# Altium PCB Mixed Signal Board Project_final.PcbDoc (part 2 of 3) (continued)
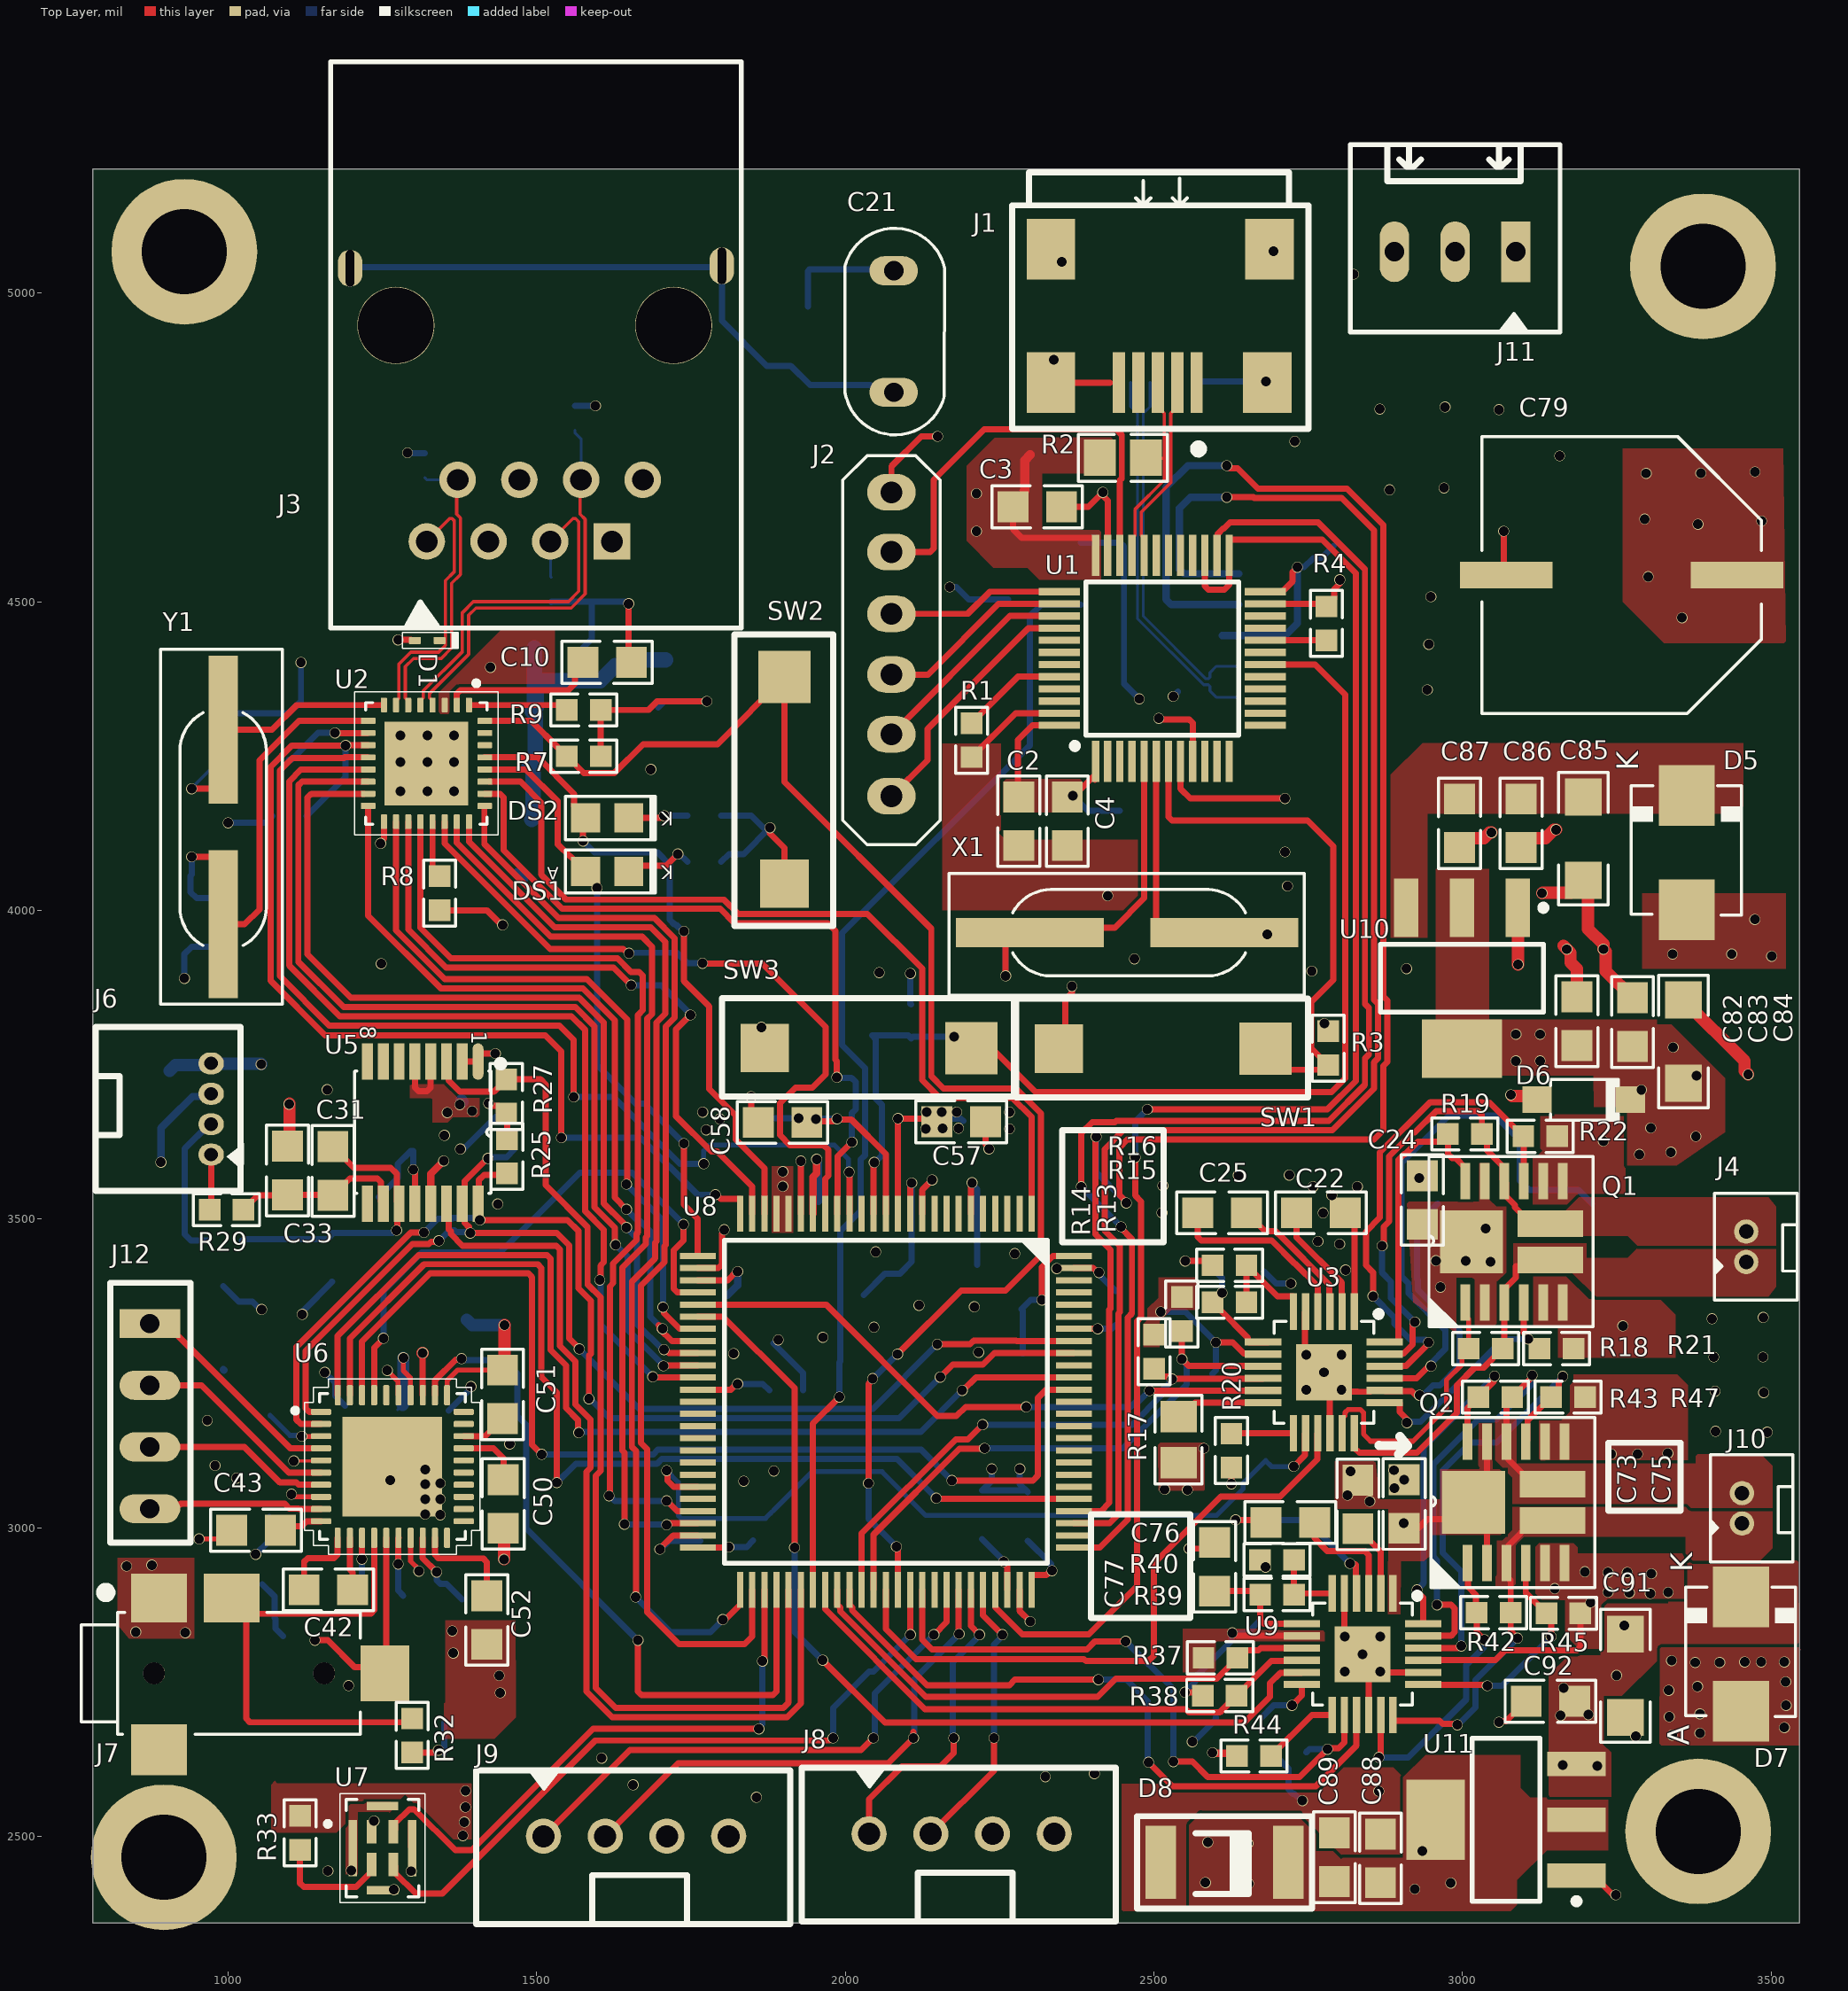
[diagram p0: Top Layer view]
## Nets (pads, with @x,y where several pads share a name; then routed paths per layer and width w, separated by ;. In a path a pad name is that pad's centre, name@x,y a point inside that pad or via, vN(x,y) a via of type N, cw(c..) or ccw(c..) an arc to the next point about the centre after c; other vN are vias at no path point) (continued)
  Top Layer w8: v1(953.03,2981.49) 991.62,2981.49 C43.1@1006.01,2995.88 ; v1(1119.48,3147.83) 1150.31,3147.83 U6.3@1150.65,3148.17 ; v1(1257.86,3254.55) 1275.12,3237.29 1275.12,3215.43 U6.35@1276.04,3214.51 ; U6.17@1295.73,2983.4 1295.73,2945.64 1309.21,2932.16 v1(1309.21,2929.53) ; U6.31@1354.78,3214.51 1354.78,3237.9 1372.13,3255.26 C51.2@1444.71,3255.26
  Top Layer w10: v1(1275.43,4438.12) 1296.09,4438.12 1296.3,4437.91 1301.85,4437.91 D1.A@1302.76,4437.01 ; U7.5@1296.53,2521.05 1296.53,2482.66 U7.5@1298.42,2480.78 ; U5.5@1302.64,3755 1302.64,3712.6 1308.5,3706.74 1322.37,3706.74 1328.23,3712.6 U5.4@1328.23,3755 ; U5.2@1379.41,3755 U5.1@1405,3755 1405,3764.31 1408.56,3767.88 v1(1433.09,3767.88) ; v1(1649.02,4496.62) 1649.02,4406.1 C10.1@1653.54,4401.57 ; U8.27@1761.09,3420.4 1794.27,3420.4 1800.13,3426.26 1800.13,3476.68 1803.96,3480.51 v1(1803.96,3482.6) ; v1(1847.53,3698.07) 1847.53,3667.86 C58.2@1859.02,3656.37 ; v1(1864.16,3810.55) 1864.16,3782.23 SW3.1@1869.49,3776.9 ; v1(1877.95,4133.86) 1877.95,4124.53 1901.57,4100.91 SW2.1@1901.57,4043.31 ; U8.20@1927.94,3508.51 v1(1927.94,3593.73) ; J2.6@2074.8,4677.17 2074.8,4719.3 2123.22,4767.72 v1(2149.61,4767.72) ; U8.10@2124.79,3508.51 2124.79,3547.24 v1(2140.67,3563.11) ; R1.1@2204.72,4248.15 2275.94,4319.37 U1.47@2346.93,4319.37 ; C57.2@2227.27,3657.41 2227.27,3620.98 2232.76,3615.5 v1(2232.76,3613.41) ; U8.74@2282.27,2899.22 2282.27,2865.16 v1(2299.63,2847.8) ; J1.6@2318.9,4854.33 2429.13,4854.33 ; SW1.1@2346,3775.72 2356.71,3786.43 2356.71,3855.42 2367.27,3865.99 v1(2367.27,3876.81) ; C3.1@2350.39,4653.54 2393.7,4653.54 v1(2417.32,4677.17) 2417.32,4671.35 2425.2,4663.47 U1.35@2425.2,4574.8 ; U8.99@2370.38,3420.4 2401.83,3420.4 2408.93,3413.3 v1(2411.02,3413.3) ; U1.8@2543.31,4241.1 2543.31,4196.85 2559.06,4181.1 v1(2712.6,4181.1) ; v1(2550.78,3431.84) 2588.16,3431.84 R16.2@2595,3425 ; v1(2557.24,2965.96) 2588.54,2965.96 C77.1@2598.47,2975.89 ; U1.23@2680.63,4496.54 2775.12,4496.54 R4.1@2779.53,4492.13 2792.03,4504.63 2792.03,4520.35 2801.29,4529.62 v1(2801.29,4535.43) ; U3.5@2745.94,3350 2745.04,3348.55 2745.04,3291.85 v1(2746.93,3280.12) U3.25@2749.53,3268.85 ; v1(2775.47,3251.57) v1(2804.02,3223.03) ; U3.16@2785.31,3152.99 2785.31,3211.3 2797.05,3223.03 v1(2804.02,3223.03) ; U9.25@2808.68,2824.58 U9.5@2808.68,2893.48 ; U9.16@2848.05,2696.47 2848.05,2754.78 2859.78,2766.51 v1(2866.75,2766.51) 2867.73,2765.52 U9.20@2936.63,2765.52 ; U3.20@2850,3220 2830,3220 2829.89,3220.11 2806.94,3220.11 v1(2804.02,3223.03) ; U3.20@2873.9,3222.05 2874.8,3221.14 2917.82,3221.14 2924.64,3214.32 v1(2930.46,3214.32) ; v1(3059.05,2684.64) 3060.52,2686.11 3070.5,2686.11 C92.1@3103.2,2718.81 ; v1(3066.93,4614.17) 3066.93,4547.24 C79.2@3070.87,4543.31 ; U11.1@3184.77,2436.1 3212.33,2436.1 3241.93,2406.5 3246.84,2406.5 v1(3248.32,2405.02)
  Top Layer w20: C33.2@1099.46,3619.03 v1@1099.46,3686.92 ; C51.2@1444.71,3255.26 1447.59,3258.13 v1(1447.59,3327.94) ; C50.2@1445.66,2999.01 1446.94,2997.73 v1(1446.94,2948.68) ; C87.1@2995.23,4101.62 3010.23,4116.62 3034.77,4116.62 3044.13,4125.98 v1(3047.24,4125.98) ; v1@3080.47,3698.92 3114.79,3698.92 D6.A@3120.58,3693.13 ; U10.1@3089.79,4004.16 3089.79,3976.6 3090.14,3976.25 v1(3090.14,3912.15) ; C86.1@3095.23,4101.62 3110.23,4116.62 3134.31,4116.62 3148.45,4130.76 v1(3151.57,4130.76) ; v1(3129.09,4027.8) 3129.95,4028.66 3175.79,4028.66 C85.1@3195.79,4048.66 3203.67,4040.77 3203.67,3969.8 3228.35,3945.13 v1(3228.35,3937.01) 3232.31,3933.05 3232.31,3901.55 C83.1@3275.59,3858.26 ; v1@3163.55,3942.75 v1(3169.29,3937.01) 3175.03,3931.27 3175.03,3915.52 3185.24,3905.32 C82.1@3185.24,3859.72 ; C84.1@3358.07,3854.89 3457.13,3755.84 3457.13,3739.76 v1(3462.87,3734.02)
  Bottom Layer w8: C45.1@1067.99,3181.59 1100.3,3149.28 1118.03,3149.28 v1(1119.48,3147.83)
  Bottom Layer w10: v1(929.13,3889.76) 929.13,3929.13 940.94,3940.95 C20.2@992.13,3940.95 ; C44.2@992.17,3391.09 1017.17,3366.09 1039.54,3366.09 1052.34,3353.29 v1(1054.42,3353.29) ; C19.2@996.89,4332.48 1010.47,4318.9 R11.1@1098.43,4318.9 1118.11,4338.58 v1(1118.11,4401.57) ; v1(1044.82,2956.64) 1066.87,2978.68 C46.1@1066.87,3016.98 ; v1(1120.18,3345.46) 1121.66,3346.94 1121.66,3351.07 C34.2@1168.98,3398.39 C34.2@1167.93,3398.39 ; v1(1290.77,4741.2) 1291.19,4740.78 1318.47,4740.78 D2.A@1318.9,4740.35 ; D3.A@1523.62,4499.61 1523.82,4499.8 1589.41,4499.8 ; D4.A@1561.89,4817.24 v1(1595.3,4817.19) ; C14.1@1574.8,4425.2 1589.41,4439.8 1589.41,4499.8 ; v1(1649.02,4496.62) 1645.84,4499.8 1589.41,4499.8 ; R6.1@1799.09,4078.74 1811.59,4091.24 1835.33,4091.24 v1(1877.95,4133.86) 1867.13,4133.86 1847.44,4153.54 R5.1@1799.09,4153.54 ; C70.1@1883.84,3298.54 1931.9,3250.49 R34.1@1931.9,3222.39 ; v1(2169.29,4523.62) 2180.12,4523.62 2199.8,4503.94 C28.1@2263.78,4503.94 ; v1(2237.31,3095.13) 2237.31,3075.6 C66.1@2221.83,3060.12 2293.01,3060.12 C60.1@2295.84,3057.29 2282.84,3070.28 v1(2282.84,3095.13) ; v1(2411.02,3413.3) 2412.5,3411.82 2412.5,3408.63 R36.2@2437.96,3383.16 ; v1@2563.09,2652.51 2563.84,2652.51 2600.53,2689.2 R41.1@2600.53,2693.14 ; 2571.5,4856.73 v1(2681.73,4856.73) ; C26.1@2678.74,3415 2698.14,3395.6 v1(2722.09,3395.6) ; R46.1@2691.62,2635.82 2718.01,2609.43 2718.01,2575.84 2725.08,2568.77 2727.61,2568.77 2738.64,2557.74 v1(2740.72,2557.74) ; v1(2930.46,3214.32) 2936.27,3214.32 2952.27,3230.31 2963.55,3230.31 2994.95,3261.72 2994.95,3318.66 2927.87,3385.74 2927.87,3401.55 2926.67,3402.75 2926.67,3491.67 R24.1@2960,3525
  Bottom Layer w20: C32.1@905.51,3740.15 914.37,3749.02 969.49,3749.02 J6.4@972.44,3751.97 973.14,3751.27 1052.88,3751.27 v1(1053.58,3750.57) ; C30.1@1378.34,3691.66 C30.1@1380,3690 ; C47.1@1386.54,3336.7 1395.3,3327.94 v1(1447.59,3327.94)
  other v1: 1268.76,2413.55 1296.72,2443.44 1161.71,2443.86 1199.65,2444.72 1856.06,2563.15 2864.39,2573.1 2403.68,2601.35 1605.37,2626.62 2562.37,2653.24 3280.71,2662.32 1440.87,2732.32 1195.26,2744.01 1439.2,2760.32 2809.66,2766.51 2838.2,2795.05 1364.82,2796.67 2809.66,2823.59 2866.75,2823.59 930.63,2829.69 850.39,2830.93 1363.14,2832.61 2680.99,2935.92 835.35,2937.5 876.31,2939.17 1343.79,3020.65 1319.28,3021.6 1319.28,3045.84 1343.79,3046.25 2554.32,3060.99 2517.56,3061.68 2889.59,3063.66 1319.28,3070.08 1343.79,3071.85 1835.55,3075.24 1262.4,3076.52 2905.39,3077.59 1884.29,3091.59 2888.84,3092.98 1319.28,3094.32 2581.26,3128.58 1456.2,3135.44 3493.84,3154.6 3410.1,3156.01 3488.22,3218.64 3409.39,3220.76 2746.93,3223.03 3407.28,3276.35 3486.81,3276.35 2804.02,3280.12 1819.27,3281.82 2216.13,3283.94 1891.52,3304.2 1963.77,3308.27 2046.4,3324.58 3404.47,3338.29 3487.5,3340.39 2209.06,3357.7 2119.45,3360.16 2342.75,3419.58 2274.73,3443.9 2049.25,3446.67 2513.23,3510.12 1436.85,3524.1 2514.59,3553.95 2930.28,3566.64 2636.96,3570.85 1355,3672.2 1395.52,3674.77 1375.39,3685.17 1098.91,3685.85 3078.27,3701.11 2055.08,3899.14 2755.91,3901.57 2909.45,3905.51 1248.03,3913.39 2468.5,3921.26 2425.2,4023.62 2716.54,4039.37 2712.6,4094.49 1279.53,4192.91 1322.83,4192.91 1366.14,4192.91 1685.04,4228.35 1279.53,4240.16 1322.83,4240.16 1366.14,4240.16 1279.53,4283.46 1322.83,4283.46 1366.14,4283.46 2943.01,4357.33 2945.55,4430.85 2948.82,4507.87 2881.89,4681.1 2970.05,4684.39 3157.48,4736.22 2728.35,4759.61 3059.06,4811.02 2866.11,4812.01 2971.75,4815.39 2337.81,4891.73 2823.73,5030.52 2350.45,5050.79 2694,5067.57
INT: R8.1 U2.21 | length 93
  Top Layer w10: U2.21@1331.26,4143.5 1331.26,4066.93 R8.1@1342.89,4055.3
JTCK/SWCLK_F103: J2.4 U1.37 | length 287
  Top Layer w10: J2.4@2074.8,4480.32 2198.3,4480.32 2234.2,4516.22 U1.37@2346.93,4516.22
JTCLK_F407: U1.26 U8.76 | length 2414.7
  Top Layer w10: U8.76@2370.38,2967.65 2412.37,2967.65 2457.75,3013.03 2457.75,3241.51 2457.88,3241.64 2457.88,3340.39 2464.51,3347.02 2464.51,3467.49 2446.84,3485.16 v1(2446.84,3487.25) ; v1(2382.31,3552.27) 2382.31,3639.13 2400.21,3657.03 2437.09,3657.03 2438.76,3658.7 2783.37,3658.7 2842.04,3717.37 2842.04,3760.18 2848.49,3766.63 2848.49,3841.91 2842.04,3848.36 2842.04,4552.31 2766.01,4628.34 2623.57,4628.34 2613.5,4618.27 2612,4618.27 2603.27,4609.54 2603.27,4575.71 U1.26@2602.36,4574.8
  Bottom Layer w10: v1(2382.31,3552.27) 2382.31,3552.02 2446.84,3487.5 v1(2446.84,3487.25)
JTDI_F103: J2.3 U1.38 | length 319.6
  Top Layer w10: J2.3@2074.8,4381.89 2133.74,4381.89 2248.38,4496.54 U1.38@2346.93,4496.54
JTDO_F103: J2.2 U1.39 | length 351.5
  Top Layer w10: J2.2@2074.8,4285.04 2266.56,4476.79 U1.39@2346.87,4476.79
"JTMS   F407": U1.25 U1.27 U8.72 | length 2670.1
  Top Layer w10: U8.72@2242.9,2899.22 2242.9,2870.73 2286.86,2826.78 2394.48,2826.78 2472.88,2905.18 2472.88,3334.18 2479.51,3340.81 2479.51,3528.13 2469.66,3537.98 v1(2469.66,3599.91) ; v1(2489.52,3677.56) 2781.02,3677.56 2827.04,3723.58 2827.04,4546.1 2772.51,4600.63 2622.95,4600.63 2622.05,4599.72 2622.05,4527.56 2614.17,4519.69 2588.54,4519.69 2582.68,4525.54 U1.27@2582.68,4574.8
  Bottom Layer w10: v1(2469.66,3599.91) 2469.66,3654.96 2470.48,3655.79 2470.48,3658.52 v1(2489.52,3677.56)
JTMS/SWDIO_F103: J2.5 U1.34 | length 721.3
  Top Layer w10: J2.5@2074.8,4580.32 2137.45,4580.32 2143.31,4586.17 2143.31,4697.62 2224.91,4779.22 2439.02,4779.22 2448.02,4770.22 2448.02,4699.54 2444.88,4696.4 U1.34@2444.88,4574.8
LRCK: U6.40 U8.90 | length 1637.7
  Top Layer w10: U6.40@1177.62,3214.51 1177.62,3310.45 1308.89,3441.73 1516.62,3441.73 1522.48,3435.87 1522.48,3288.1 1547.56,3263.02 1547.56,3193.61 1566.7,3174.47 1566.7,3155.42 v1(1568.17,3153.95) ; v1(2189.41,3222.25) 2190.91,3222.25 2211.9,3243.24 U8.90@2370.38,3243.24
  Bottom Layer w10: v1(1568.17,3153.95) 1569.48,3155.26 2122.41,3155.26 v1(2189.41,3222.25)
MCLK: U6.37 U8.29 | length 928.2
  Top Layer w10: U6.37@1236.67,3214.51 1236.67,3291.59 v1(1251.76,3306.68) ; v1(1737.91,3491.16) 1737.91,3465.09 1722.06,3449.23 1722.06,3386.89 1727.91,3381.03 U8.29@1761.09,3381.03
  Bottom Layer w10: v1(1251.76,3306.68) 1251.76,3383.7 1313.84,3445.77 1440.8,3445.77 1570.19,3575.16 1654.29,3575.16 1737.91,3491.53 v1(1737.91,3491.16)
MDC: U2.12 U8.16 | length 1709.9
  Top Layer w10: U2.12@1226.93,4247.83 1188.95,4247.83 1188.06,4246.94 1104.27,4246.94 1083.8,4226.46 1083.8,3893.39 1163.83,3813.36 1536.6,3813.36 1559.98,3789.98 v1(1559.98,3697.61) ; v1(2006.36,3575.84) 2006.68,3575.52 U8.16@2006.68,3508.51
  Bottom Layer w8: v1(1770.67,3589.45) 1770.67,3610.36 1780.25,3619.94 1982.13,3619.94 2005.37,3596.7 2005.37,3576.84 v1(2006.36,3575.84)
  Bottom Layer w10: v1(1559.98,3697.61) 1624.25,3697.61 1732.4,3589.45 v1(1770.67,3589.45)
MDIO: R10.1 U2.11 U8.25 | length 1673.4
  Top Layer w10: U2.11@1226.93,4267.52 1226.85,4267.44 1190.66,4267.44 v1(1190.35,4267.12) 1103.24,4267.12 1068.76,4232.64 1068.76,3886.03 1157.11,3797.68 1513.84,3797.68 1539.91,3771.61 v1(1539.91,3631.57) ; v1(1789.48,3539.39) 1791.57,3539.39 1798.41,3532.55 1829.52,3532.55 U8.25@1829.52,3508.51
  Bottom Layer w10: R10.1@1126.89,4152.48 1190.35,4215.94 v1(1190.35,4267.12) ; v1(1539.91,3631.57) 1668.36,3631.57 1760.54,3539.39 v1(1789.48,3539.39)
NetC5_2: C5.2 U1.5 X1.2 | length 599
  Top Layer w10: v1(2259.84,3893.7) 2259.84,3945.04 2278.46,3963.66 X1.2@2299.09,3963.66 2307.5,3972.07 2436.64,3972.07 2484.25,4019.69 U1.5@2484.25,4241.1
  Bottom Layer w10: v1(2259.84,3893.7) C5.2@2259.84,3964.57
NetC6_2: C6.2 U1.6 X1.1 | length 430.2
  Top Layer w10: U1.6@2503.94,4241.1 2503.94,3982.28 2522.56,3963.66 2561.02,3963.66 X1.1@2614.06,3963.66
  Bottom Layer w10: C6.2@2631.55,3957.78 2634.78,3961.02 v1(2683.77,3961.02)
NetC10_2: C10.2 U2.2 | length 256.1
  Top Layer w10: U2.2@1370.63,4332.48 1370.63,4350.63 1376.49,4356.48 1551.35,4356.48 1562.3,4367.43 1562.3,4389.07 C10.2@1574.8,4401.57
NetC11_2: C11.2 C12.2 C13.2 C14.2 FB1.2 U2.3 | length 560.3
  Bottom Layer w25: C12.2@1487.52,4232.48 1497.52,4242.49 1497.52,4317.48 C13.2@1492.52,4322.48 ; C11.2@1491.89,4147.48 1493.98,4149.57 C12.2@1493.98,4232.48 ; C14.2@1496.06,4425.2 1496.06,4326.03 C13.2@1492.52,4322.48 ; FB1.2@1708.66,4405.51 1653.96,4405.51 1644.81,4396.36 1627.34,4396.36 1602.93,4371.95 1501.87,4371.95 1498.98,4369.06 1498.98,4328.94 C13.2@1492.52,4322.48
  other v1: 1425.2,4393.7
NetC19_1: C19.1 U2.8 Y1.2 | length 492.9
  Top Layer w10: v1(940.94,4196.85) 973.27,4196.85 991.89,4215.47 Y1.2@991.89,4292.44 996.06,4292.44 1070.97,4292.44 1111.01,4332.48 U2.8@1252.52,4332.48
  Bottom Layer w5.18: v1(940.94,4196.85) 940.94,4197.8 C19.1@996.89,4253.74
NetC20_1: C20.1 U2.9 Y1.1 | length 777.2
  Top Layer w10: v1(940.94,4086.61) 973.27,4086.61 991.89,4067.99 Y1.1@991.89,3977.48 1026.89,3977.48 1050.76,4001.36 1050.76,4242.97 1114.68,4306.89 U2.9@1226.93,4306.89
  Bottom Layer w10: v1(940.94,4086.61) 940.94,4057.87 939.12,4056.04 939.12,4029.39 948.82,4019.68 C20.1@992.13,4019.68
NetC21_2: C21.2 J3.9 J3.10 R12.2 | length 1019.5
  Bottom Layer w10: J3.9@1197.68,5040.2 1199.65,5042.17 1798.07,5042.17 J3.10@1800.04,5044.13 1800.04,4955.02 1872.93,4882.13 1911.86,4882.13 1943.19,4850.79 2040.99,4850.79 2052.64,4839.15 C21.2@2078.47,4839.15
NetC22_1: C22.1 U3.2 | length 190.2
  Top Layer w10: C22.1@2731.26,3510 2731.26,3470.08 2804.09,3397.24 2804.09,3351.24 U3.2@2805,3350.33
NetC25_1: C25.1 U3.3 | length 226.5
  Top Layer w10: C25.1@2650,3510 2680,3480 2697.12,3480 2702.12,3475 2702.83,3475 2784.41,3393.42 2784.41,3350.91 U3.3@2785.31,3350
NetC25_2: C25.2 U3.4 | length 307.6
  Top Layer w10: C25.2@2571.26,3510 2571.26,3470.86 2577.12,3465 2690.9,3465 2727.91,3427.99 2728.62,3427.99 2765.63,3390.98 U3.4@2765.63,3350
NetC26_2: C26.2 R15.1 U3.7 | length 170.6
  Top Layer w10: v1(2610.25,3380.13) 2610.13,3380.13 2607.5,3377.5 2607.5,3352.5 2652.52,3307.48 2652.52,3301.69 2654.21,3300 U3.7@2685,3300
  Bottom Layer w10: C26.2@2600,3415 2610.25,3404.75 v1(2610.25,3380.13)
NetC29_2: C29.2 FB2.2 U5.12 | length 186.8
  Top Layer w10: v1(1300,3580) 1300,3577.91 1302.64,3575.27 U5.12@1302.64,3524.68
  Bottom Layer w10: C29.2@1244.09,3535.43 1275.2,3566.54 1275.2,3589.33 1296.06,3610.2 FB2.2@1300,3610.2 v1(1300,3580)
NetC31_1: C31.1 C33.1 R29.1 U5.10 | length 288.6
  Top Layer w10: R29.1@1025,3515 1048.3,3538.3 1095.98,3538.3 C33.1@1101.7,3538.3 ; C33.1@1095.98,3539.22 1101.7,3539.22 C31.1@1169.88,3539.22 ; C31.1@1169.88,3538.3 1197.37,3565.78 1241.74,3565.78 1247.6,3559.93 1247.6,3528.54 U5.10@1251.46,3524.68
NetC31_2: C31.2 C34.1 R28.1 U5.11 | length 475.7
  Top Layer w10: C31.2@1169.88,3617.03 1204.03,3582.89 1263.44,3582.89 1273.19,3573.14 1273.19,3528.54 U5.11@1277.05,3524.68 1274.46,3522.09 1274.46,3483.04 v1(1272.98,3481.57)
  Bottom Layer w10: R28.1@1022.5,3465 1025,3467.5 1161.36,3467.5 C34.1@1170.99,3477.13 ; C34.1@1168.98,3477.13 C34.1@1170.99,3477.13 ; v1(1272.98,3481.57) 1270.89,3481.57 1266.46,3477.13 C34.1@1170.99,3477.13
NetC35_1: C35.1 R31.2 | length 98.3
  Bottom Layer w10: C35.1@1055.24,2908.46 1075.24,2888.46 1075.24,2853.71 1076.58,2852.37 1076.58,2836.69 R31.2@1089.08,2824.19
NetC36_1: C36.1 R32.2 | length 93.3
  Top Layer w10: R32.2@1298.39,2635.64 1334.7,2635.64 1338.64,2639.59 v1(1340.73,2639.59)
  Bottom Layer w10: 1349.96,2634.98 1349.96,2684.21 C36.1@1350.05,2684.3
NetC37_2: C37.2 C38.2 C41.2 FB3.2 U6.13 U6.16 | length 192.1
  Top Layer w10: v1(1216.85,2948.93) 1216.85,2971.65 1216.91,2971.71 1216.91,2983.32 U6.13@1216.99,2983.4 ; v1(1275.6,2940.95) 1275.96,2941.32 1275.96,2983.32 U6.16@1276.04,2983.4
  Bottom Layer w10: C37.2@1209.74,2891.53 1216.85,2898.64 v1(1216.85,2948.93) ; v1(1275.6,2940.95) 1275.6,2898.06 C38.2@1283.84,2889.82
NetC42_1: C42.1 U6.11 | length 131.8
  Top Layer w10: C42.1@1123.13,2899.2 1123.13,2944.86 1128.98,2950.72 1171.76,2950.72 1177.62,2956.58 U6.11@1177.62,2983.4
NetC42_2: C42.2 U6.12 | length 86.1
  Top Layer w10: U6.12@1197.3,2983.4 1197.3,2932.22 1201.87,2927.66 C42.2@1201.87,2899.2
NetC43_2: C43.2 U6.10 | length 68.6
  Top Layer w10: C43.2@1087.46,2997.23 1092.57,3002.34 1118.89,3002.34 1126.92,3010.37 U6.10@1150.65,3010.37
NetC50_1: C50.1 U6.27 | length 105.7
  Top Layer w10: U6.27@1381.75,3128.48 1429.65,3128.48 1446.23,3111.9 1446.23,3078.33 C50.1@1445.66,3077.75
NetC51_1: C51.1 U6.28 | length 74.7
  Top Layer w10: U6.28@1381.75,3148.17 1416.36,3148.17 C51.1@1444.71,3176.51
NetC52_1: C52.1 U6.19 | length 170.8
  Top Layer w10: U6.19@1335.1,2983.4 1335.1,2956.02 1340.95,2950.16 1413.15,2950.16 1419,2944.3 C52.1@1419,2889.66
NetC53_2: C53.2 U6.18 | length 131.6
  Top Layer w10: U6.18@1315.41,2983.4 1315.41,2950.32 v1(1337.78,2927.95)
  Bottom Layer w10: v1(1337.78,2927.95) 1338.28,2927.45 1338.28,2914.71 1344.14,2908.85 1353.98,2908.85 C53.2@1378.98,2883.85
NetC57_1: C57.1 U8.12 X2.2 | length 327.1
  Top Layer w10: U8.12@2085.42,3508.51 v1@2085.42,3662.72 ; v1(2085.39,3662.75) 2143.19,3662.75 C57.1@2148.53,3657.41
  Bottom Layer w10: v1(2085.39,3662.75) 2187.17,3662.75 X2.2@2191.24,3658.68
  other v1: 2130.62,3646.27 2158.02,3646.37 2266.13,3645.88 2183.51,3647.01 2131.59,3673.27 2156.05,3673.27 2180.5,3673.27 2266.13,3673.05
NetC58_1: C58.1 U8.13 X2.1 | length 352
  Top Layer w10: v1(1952.71,3661.66) 1947.42,3656.37 C58.1@1937.76,3656.37 1950.67,3656.37 1952.71,3658.41 1980.72,3658.41 1984.49,3662.19 v1(1986.58,3662.19) 1988.06,3660.71 2010.18,3660.71 2065.74,3605.15 U8.13@2065.74,3508.51
  Bottom Layer w10: X2.1@1876.28,3658.68 1876.8,3658.68 1881.02,3662.89 v1(1924.66,3662.89) ; v1(1952.71,3661.66) 1953.23,3662.19 v1(1986.58,3662.19)
  other v1: 1774.65,3644.23 1796.64,3662.07 1768.96,3673.09
NetC66_2: C66.2 U8.73 | length 99
  Top Layer w10: v1(2256.84,2944.8) 2256.84,2942.71 2262.59,2936.96 U8.73@2262.59,2899.22
  Bottom Layer w10: C66.2@2221.83,2981.38 2256.84,2946.37 v1(2256.84,2944.8)
NetC67_2: C67.2 U8.49 | length 144.1
  Top Layer w10: v1@1698.49,2964.8 1721.02,2987.33 U8.49@1761.09,2987.33
  Bottom Layer w10: v1@1698.49,2964.8 1700.58,2964.8 1714.5,2978.73 C67.2@1764.87,2978.73
  other v1: 1699.54,2964.8
NetC68_2: C68.2 C69.2 C70.2 C71.2 FB4.2 U8.21 U8.22
  other v1: 1898.95,3552.91 1898.82,3576.47
NetC73_1: C73.1 U9.2 | length 120
  Top Layer w10: C73.1@2830.65,2998.15 2867.73,2961.07 U9.2@2867.73,2893.48
NetC76_1: C76.1 U9.3 | length 186.6
  Top Layer w10: C76.1@2760.36,3008.36 2760.36,2982.92 2780.95,2962.32 2841.43,2962.32 2848.05,2955.7 U9.3@2848.05,2893.48
NetC76_2: C76.2 U9.4 | length 322.5
  Top Layer w10: v1(2632.45,3012.57) 2677.41,3012.57 C76.2@2681.62,3008.36 ; v1(2817.67,2941.91) 2819.15,2940.44 2826.44,2940.44 2827.46,2939.42 2827.46,2894.38 U9.4@2828.36,2893.48
  Bottom Layer w10: v1(2632.45,3012.57) 2747.02,3012.57 v1(2817.67,2941.91)
NetC77_2: C77.2 R39.1 U9.7 | length 187.5
  Top Layer w10: C77.2@2598.47,2897.16 2666.68,2897.16 R39.1@2672.28,2891.56 ; R39.1@2672.25,2891.53 2672.25,2850.12 2678.11,2844.26 U9.7@2739.78,2844.26
NetC85_2: C85.2 C86.2 C87.2 D5.K U10.3
NetC91_2: C91.2 C92.2 C93.2 D7.K U11.3
  other v1: 3218.58,2613.8 3162.34,2615.68 3159.14,2695.39 3204.19,2697 3163.94,2740.18 3249.7,2760.52 3262.04,2841.22
NetDS1_K: DS1.K R5.2 | length 96.6
  Top Layer w10: DS1.K@1649.17,4149.61 1700.72,4149.61 1704.37,4153.26 v1(1706.45,4153.26)
  Bottom Layer w10: v1(1706.45,4153.26) 1743.81,4153.26 R5.2@1744.09,4153.54
NetDS2_K: DS2.K R6.2 | length 111.8
  Top Layer w10: DS2.K@1649.17,4063 1658.54,4072.37 1709.79,4072.37 v1(1728.67,4091.24)
  Bottom Layer w10: v1(1728.67,4091.24) 1731.59,4091.24 R6.2@1744.09,4078.74
NetJ7_2: J7.2 R31.1 U6.15 | length 356
  Top Layer w10: v1(1140.64,2817.56) 1161.53,2817.56 1205.47,2773.63 1244.26,2773.63 J7.2@1253.98,2763.91 1256.36,2766.29 U6.15@1256.36,2983.4
NetJ7_3: J7.3 R32.1 U6.14 | length 831.5
  Top Layer w10: J7.3@1005.95,2885.96 1011.85,2885.96 J7.3@1029.59,2868.21 ; J7.3@1008.9,2883 1026.64,2865.26 1031.46,2860.44 1230.81,2860.44 1236.87,2866.49 1236.87,2928.34 1236.67,2928.54 U6.14@1236.67,2983.4 ; J7.3@1029.59,2860.44 1029.59,2690.47 1035.45,2684.61 1292.36,2684.61 R32.1@1298.39,2690.64
NetR1_2: R1.2 U1.44 | length 173.4
  Top Layer w10: R1.2@2204.72,4303.15 2280,4378.43 U1.44@2346.93,4378.43
NetR4_2: R4.2 U1.20 | length 99
  Top Layer w10: U1.20@2680.63,4437.48 2779.17,4437.48 R4.2@2779.53,4437.13
NetR9_1: R9.1 U2.1 | length 154.4
  Top Layer w10: U2.1@1390.31,4332.48 1541.54,4332.48 R9.1@1543.76,4330.26
NetR11_2: R11.2 U2.10 | length 146.4
  Top Layer w10: v1@1173.23,4287.2 U2.10@1226.93,4287.2
  Bottom Layer w10: R11.2@1098.43,4244.09 1102.36,4244.09 1145.67,4287.4 v1(1173.23,4287.4)
NetR15_2: R15.2 R16.1 U3.6 | length 181.2
  Top Layer w10: R15.2@2650,3365 R16.1@2650,3425 2700.47,3374.53 2725.35,3374.53 2726.26,3373.62 U3.6@2726.26,3350
NetR17_2: R17.2 U3.12 | length 147.1
  Top Layer w10: R17.2@2540,3179.8 2543.94,3179.8 2566.5,3202.36 2659.09,3202.36 2660,3203.27 2660.91,3202.36 U3.12@2677.05,3202.36
NetR20_2: R20.2 U3.13 | length 101
  Top Layer w10: R20.2@2625.65,3152.27 2626.53,3153.15 U3.13@2726.26,3153.15
NetR33_1: R33.1 U7.2 | length 193.5
  Top Layer w10: R33.1@1116.64,2477.89 1116.64,2423.98 1122.49,2418.12 1207.22,2418.12 1232.47,2443.37 U7.2@1232.47,2454.2
NetR34_2: R34.2 U8.37 | length 123.9
  Top Layer w10: U8.37@1761.09,3223.55 1814.35,3223.55 1823.58,3232.78 v1(1825.67,3232.78)
  Bottom Layer w10: v1(1825.67,3232.78) 1866.51,3232.78 R34.2@1876.9,3222.39
NetR36_1: R36.1 U8.94 | length 70.1
  Top Layer w10: U8.94@2370.38,3321.98 v1(2409.02,3321.98)
  Bottom Layer w10: v1(2409.02,3321.98) 2431.78,3321.98 R36.1@2437.96,3328.16
NetR39_2: R39.2 R40.1 U9.6 | length 119
  Top Layer w10: R39.2@2727.03,2891.87 2727.03,2947.66 R40.1@2727.13,2947.56 ; R39.2@2727.23,2890.27 2730.44,2893.48 U9.6@2788.99,2893.48
NetR41_2: R41.2 U9.12 | length 96.7
  Top Layer w10: v1(2723.72,2711.9) 2739.78,2727.96 U9.12@2739.78,2745.84
  Bottom Layer w10: R41.2@2675.33,2693.14 2694.1,2711.9 v1(2723.72,2711.9)
NetR44_2: R44.2 U9.13 | length 126.8
  Top Layer w10: R44.2@2689.79,2630.01 2756.4,2696.63 U9.13@2788.99,2696.63
nFAULT: R13.1 U3.9 U8.62 | length 923.6
  Top Layer w10: U8.62@2046.05,2899.22 2046.05,2988.91 2185.18,3128.04 2225.24,3128.04 v1(2225.71,3128.51) ; R13.1@2545.4,3318.55 v1(2545.4,3272.99) 2556.07,3262.32 2676.14,3262.32 U3.9@2677.05,3261.42
  Bottom Layer w10: v1(2225.71,3128.51) 2449.86,3128.51 2552.87,3231.52 2552.87,3263.43 2545.4,3270.91 v1(2545.4,3272.99)
nFAULT_2: R37.1 U8.59 U9.9 | length 875
  Top Layer w10: U8.59@1987,2899.22 1987,2875.19 1991.68,2870.5 1991.68,2864.52 2130.47,2725.73 2408.87,2725.73 2438.57,2755.43 2601.76,2755.43 2647.87,2801.55 2669.52,2801.55 2672.87,2804.89 U9.9@2739.78,2804.89
NRST: R3.1 SW1.2 U1.7 | length 879.5
  Top Layer w10: U1.7@2523.62,4241.1 2523.62,4151.53 2529.48,4145.67 2749.01,4145.67 2790.91,4103.78 2790.91,3887.08 2754.87,3851.04 2754.87,3776.77 R3.1@2782.37,3749.27 2774.91,3741.81 2703.85,3741.81 SW1.2@2675.29,3770.37
NTJRST_F103: J2.1 U1.40 | length 414.3
  Top Layer w10: J2.1@2074.8,4185.04 2133.14,4243.38 2133.14,4293.73 2296.58,4457.17 U1.40@2346.93,4457.17
NTRST_F407: C56.2 R35.1 SW3.2 U1.18 U8.14 | length 1845.3
  Top Layer w10: U8.14@2046.05,3508.51 2046.05,3590.76 v1(2046.88,3591.59) ; v1(2176.16,3795.47) 2185.57,3795.47 SW3.2@2204.14,3776.9 ; SW3.2@2244,3770.02 2308.3,3705.72 2787.97,3705.72 2809.87,3727.63 2809.87,4349.47 2761.23,4398.11 U1.18@2680.63,4398.11
  Bottom Layer w10: v1(2046.88,3591.59) 2047.81,3591.59 2059.13,3602.91 2059.13,3685.09 2049.31,3694.92 2049.31,3791.24 C56.2@2043.44,3797.11 2102.08,3797.11 R35.1@2106.57,3792.61 2109.42,3795.47 v1(2176.16,3795.47)
OUTA+: J12.1 U6.4 | length 361.2
  Top Layer w10: J12.1@873.17,3330.56 898.76,3330.56 1100.84,3128.48 U6.4@1150.65,3128.48
OUTA-: J12.2 U6.6 | length 336.1
  Top Layer w10: J12.2@873.17,3230.56 956.85,3230.56 1098.3,3089.11 U6.6@1150.65,3089.11
OUTB+: J12.3 U6.7 | length 302.8
  Top Layer w10: J12.3@873.17,3130.56 1026.26,3130.56 1083.92,3072.91 1110.56,3072.91 1114.04,3069.43 U6.7@1150.65,3069.43
OUTB-: J12.4 U6.9 | length 284.3
  Top Layer w10: J12.4@873.17,3030.56 880.29,3037.69 922.4,3037.69 923.24,3038.53 1091.6,3038.53 1099.25,3030.88 1113.89,3030.88 1114.71,3030.06 U6.9@1150.65,3030.06
PH: U3.15 U8.63 | length 1049.4
  Top Layer w10: U8.63@2065.74,2899.22 2065.74,2835.95 2114.76,2786.93 2386.75,2786.93 2389.93,2783.74 2491.12,2783.74 2500.16,2792.78 2500.16,2941.73 2608.46,3050.02 2704.36,3050.02 2764.72,3110.38 2764.72,3152.09 U3.15@2765.63,3152.99
PH_2: U8.60 U9.15 | length 1112
  Top Layer w10: U8.60@2006.68,2899.22 2006.68,2875.19 2011.37,2870.5 2011.37,2866.05 2132.82,2744.59 2265.89,2744.59 2274.94,2753.63 v1(2410.1,2753.63) ; v1(2491.44,2619.83) 2530.48,2580.78 2762.39,2580.78 2828.36,2646.76 U9.15@2828.36,2696.47
  Bottom Layer w10: v1(2410.1,2753.63) 2455.27,2753.63 2490.07,2718.83 2490.07,2621.2 v1(2491.44,2619.83)